# KiCad board netrazr_rev2.kicad_pcb (continued)
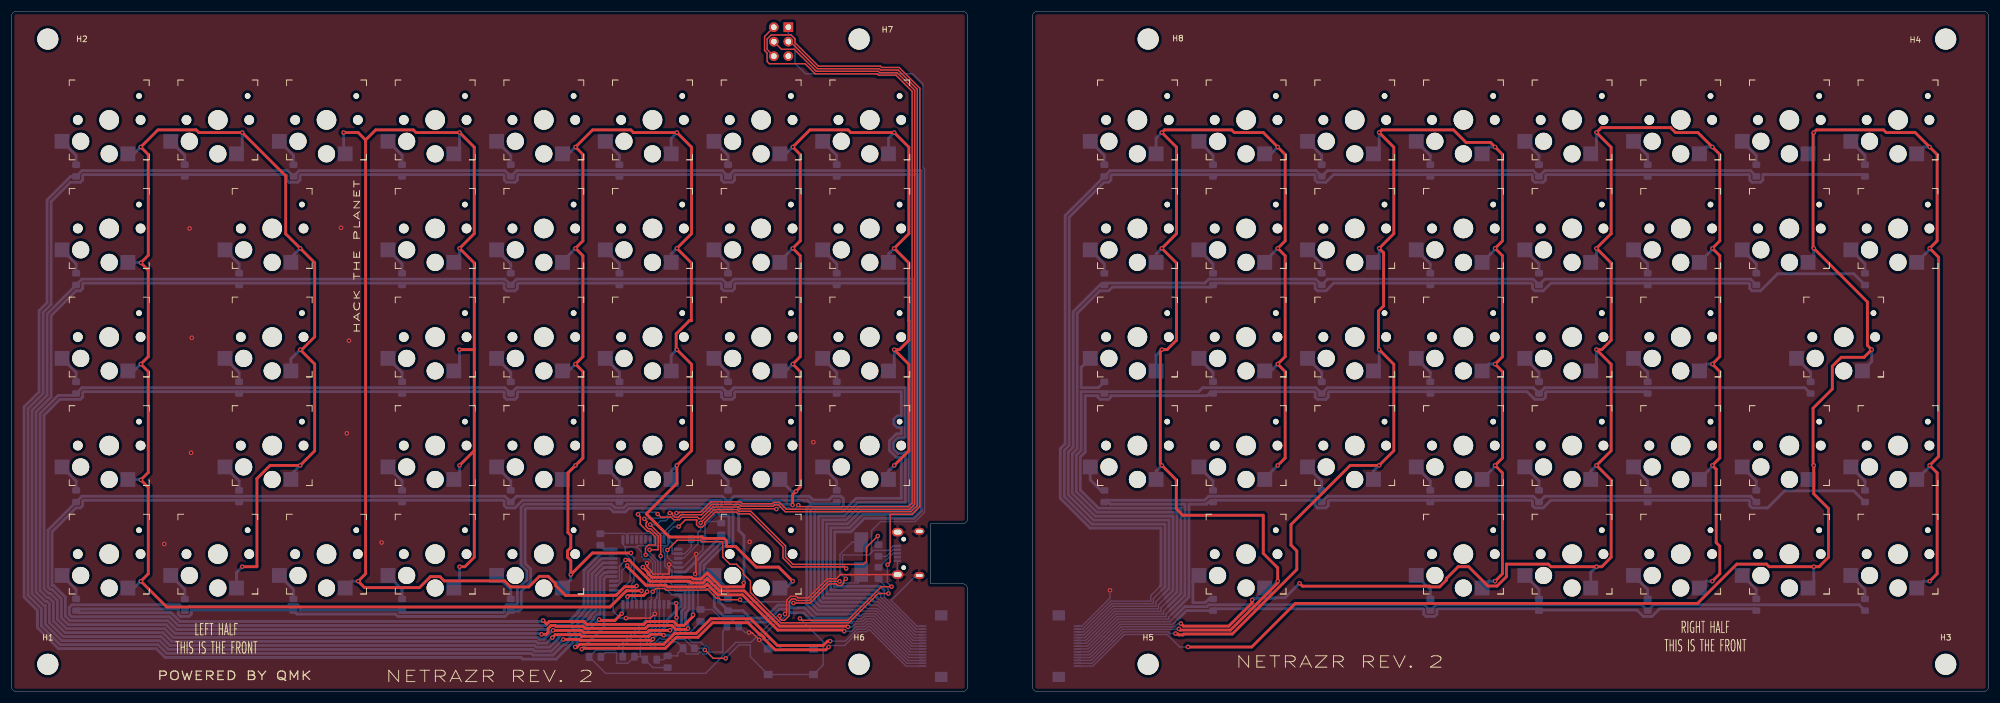
[diagram p0: board, top side]
## Routing (per net, layer and track width the routed paths; a pad name or vN(x,y) marks a point on that pad's centre or on a via; arc(x,y) is an arc through that point) (continued)
/Col_0: length 318.5
  Top w0.5: v1(40.47,21.92) 43.01,21.92 43.05,21.96 43.05,37.38 45.36,39.7 v1(50.63,39.7) 53.17,42.24 53.17,57.48 v1(50.63,60.02) 50.92,60.02 53.17,62.27 53.17,75.26 v1(50.63,77.8) 48.09,80.34 48.09,90.5 v1(40.47,98.12) 40.47,98.12 32.85,98.12 32.39,98.58 25.69,98.58 v1(22.69,95.58) 24,94.27 24,76.57 v1(22.69,75.26) 24,73.95 24,58.79 v1(22.69,57.48) 24,56.17 24,38.47 v1(22.69,37.16) 24,35.85 24,20.69 v1(22.69,19.38) 27.21,14.86 104.96,14.86 107.8,17.7 v1(110.45,17.7)
  Bottom w0.25: v1(110.45,17.7) 110.41,17.65 U1.18
  Bottom w0.5: v1(50.63,60.02) 49,58.39 K32.1 ; v1(22.69,57.48) 21.49,56.28 K31.1 ; v1(22.69,19.38) 21.49,18.18 K60.1 ; v1(40.47,21.92) 39.47,20.92 K61.1 ; K0.1 21.49,94.38 v1(22.69,95.58) ; v1(40.47,98.12) 40.47,95.38 K1.1 ; v1(22.69,75.26) 22.62,75.33 K16.1 ; v1(22.69,37.16) 22.62,37.23 K45.1 ; K46.1 49,38.06 v1(50.63,39.7) ; K17.1 49,76.17 v1(50.63,77.8)
/Col_1: length 269.2
  Top w0.5: 81.15,42.28 81.15,23.57 79.5,21.92 v1(78.57,21.92) ; 81.15,42.28 v1(78.57,39.7) ; 81.15,42.28 81.15,60.06 ; 62.1,96.81 63.86,98.58 70.49,98.58 70.95,98.12 78.57,98.12 v1(78.57,98.12) 81.15,95.54 81.15,80.38 v1(78.57,77.8) 81.15,75.22 81.15,60.06 ; 62.1,96.81 60.79,98.12 v1(58.25,98.12) ; 62.1,96.81 62.1,20.69 v1(60.79,19.38) 61.92,18.25 71.54,18.25 73.47,20.18 75.12,20.18 75.87,19.43 86.47,19.43 87.52,18.38 90.72,18.38 92.57,20.23 94.12,20.23 95.35,19.01 95.35,18.69 97.16,16.88 106,16.88 107.52,18.4 109.46,18.4 v1(109.61,18.55) ; v1(78.57,60.02) 81.11,60.02 81.15,60.06
  Bottom w0.25: U1.19 109.61,16.12 109.36,16.38 109.36,18.23 109.32,18.27 v1(109.61,18.55)
  Bottom w0.5: v1(78.57,21.92) 78.57,19.18 K63.1 ; v1(78.57,39.7) 78.57,38.23 K47.1 ; K33.1 78.57,57.28 v1(78.57,60.02) ; v1(60.79,19.38) 59.72,19.38 K62.1 ; v1(58.25,98.12) 58.25,94.65 K2.1 ; K3.1 78.57,95.38 v1(78.57,98.12) ; v1(78.57,77.8) 78.57,76.33 K18.1
/Col_2: length 259.5
  Top w0.5: v1(108.63,24.33) 101.87,24.33 v1(98.07,20.54) 98.07,22.99 97.49,23.57 97.49,24.69 98.07,25.27 98.07,27.41 97.57,27.92 97.57,38.38 v1(98.89,39.7) 100.2,41.01 100.2,56.17 v1(98.89,57.48) 100.2,58.79 100.2,76.49 v1(98.89,77.8) 100.2,79.11 100.2,94.27 v1(98.89,95.58) 101.89,98.58 108.59,98.58 109.05,98.12 116.67,98.12 v1(116.67,98.12) 119.25,95.54 119.25,80.38 v1(116.67,77.8) 119.21,75.26 119.21,65.1 118.85,65.1 116.54,62.79 116.54,60.15 v1(116.67,60.02) 119.25,57.44 119.25,42.28 v1(116.67,39.7) 116.67,36.54 111.31,31.18 115.35,27.14 121.07,27.14 121.32,26.89 124.96,26.89 125.39,26.46 125.39,25.48 126.96,25.48 130.59,21.85 134.51,21.85 v1(136.99,19.38)
  Bottom w0.25: U1.20 108.8,16.4 108.91,16.5 108.91,18.05 108.76,18.2 108.76,18.9 109.14,19.29 109.14,23.46 108.63,23.97 v1(108.63,24.33)
  Bottom w0.5: K35.1 115.67,59.02 v1(116.67,60.02) ; K19.1 96.62,75.53 v1(98.89,77.8) ; K4.1 97.69,94.38 v1(98.89,95.58) ; v1(116.67,98.12) 115.67,97.12 K5.1 ; v1(116.67,39.7) 115.67,38.7 K49.1 ; v1(116.67,77.8) 115.67,76.8 K20.1 ; v1(136.99,19.38) 135.79,18.18 K65.1 ; K64.1 98.07,19.63 v1(98.07,20.54) ; v1(98.89,39.7) 96.62,37.43 K48.1 ; v1(98.89,57.48) 97.69,56.28 K34.1
/Col_3: length 231.5
  Top w0.5: v1(107.99,16.65) 108.19,16.85 110.81,16.85 111.44,17.48 v1(111.44,17.53) ; v1(136.95,32.74) 136.95,34.55 v1(137.55,35.14) 138.3,35.89 138.3,56.17 v1(136.99,57.48) 138.3,58.79 138.3,76.49 v1(136.99,77.8) 138.3,79.11 138.3,94.27 v1(136.99,95.58) 139.99,98.58 146.69,98.58 147.15,98.12 154.77,98.12 v1(154.77,98.12) 157.35,95.54 157.35,80.38 v1(154.77,77.8) 157.31,75.26 157.31,65.1 157.35,65.06 157.35,61.67 155.7,60.02 v1(154.77,60.02) 157.35,57.44 157.35,42.28 v1(154.77,39.7) ; v1(128.39,19.09) 128.39,18.38 124.42,18.38 121.97,20.83 120.92,19.78 119.52,19.78 119.23,20.07 112.28,20.07 111.63,20.71 111.63,20.92 v1(110.71,21.85)
  Bottom w0.25: v1(110.71,21.85) 111.54,21.01 111.54,17.64 v1(111.44,17.53)
  Bottom w0.5: K22.1 153.77,76.8 v1(154.77,77.8) ; v1(136.99,95.58) 135.79,94.38 K6.1 ; v1(128.39,19.09) 128.45,19.14 128.45,27.36 127.51,28.3 127.51,32.35 128.05,32.89 136.81,32.89 v1(136.95,32.74) ; v1(136.99,57.48) 135.79,56.28 K36.1 ; v1(107.99,16.65) 108.01,16.64 U1.21 ; v1(136.99,77.8) 134.72,75.53 K21.1 ; K7.1 153.77,97.12 v1(154.77,98.12) ; K51.1 153.77,38.7 v1(154.77,39.7) ; K37.1 154.77,57.28 v1(154.77,60.02) ; K50.1 136.81,35.14 v1(137.55,35.14)
/Col_4: length 317.2
  Top w0.5: v1(204.66,11.02) 204.88,10.8 213.74,10.8 222.01,19.07 v1(222.01,19.38) 222.01,21.72 219.47,24.26 219.47,30.95 205.36,30.95 204.23,32.08 204.23,37.16 v1(201.69,39.7) 201.43,39.97 201.43,59.75 v1(201.69,60.02) 202.62,60.02 204.27,61.67 204.27,75.22 v1(201.69,77.8) 204.27,80.38 204.27,95.54 v1(201.69,98.12) 202.15,98.58 213.93,98.58 214.39,98.12 219.47,98.12 v1(222.01,95.58) 223.32,94.27 223.32,79.11 v1(222.01,77.8) 223.32,76.49 223.32,58.79 v1(222.01,57.48) 223.32,56.17 223.32,41.01 v1(222.01,39.7) ; v1(146,10.61) 145.81,10.8 134.36,10.8 128.18,16.98 123.84,16.98 121.97,18.85 121.5,18.38 115.01,18.38 114.72,18.67 111.24,18.67 107.97,21.94 v1(107.97,22.15)
  Bottom w0.25: FFC2.3 189.32,5.48 192.9,9.06 192.9,9.08 194.75,10.93 204.57,10.93 v1(204.66,11.02) ; v1(146,10.61) 147.31,10.61 148.11,11.41 149.6,11.41 150.07,11.88 150.72,11.88 157.14,5.46 159.93,5.46 ; U1.25 106.24,18.6 107.03,19.39 107.03,21.21 v1(107.97,22.15)
  Bottom w0.5: v1(222.01,19.38) 220.81,18.18 K66.1 ; K53.1 219.74,37.43 v1(222.01,39.7) ; v1(222.01,57.48) 220.81,56.28 K39.1 ; v1(201.69,60.02) 200.69,59.02 K38.1 ; K8.1 200.69,97.12 v1(201.69,98.12) ; K9.1 220.81,94.38 v1(222.01,95.58) ; v1(222.01,77.8) 219.74,75.53 K24.1 ; v1(201.69,77.8) 200.69,76.8 K23.1 ; K52.1 200.69,38.7 v1(201.69,39.7)
/Col_5: length 350.5
  Top w0.5: v1(260.11,19.38) 261.42,20.69 261.42,38.39 v1(260.11,39.7) 261.42,41.01 261.42,56.17 v1(260.11,57.48) 261.42,58.79 261.42,76.49 v1(260.11,77.8) 261.42,79.11 261.42,94.27 v1(260.11,95.58) 259.31,96.38 255.03,96.38 252.83,98.58 240.25,98.58 v1(239.79,98.12) 242.37,95.54 242.37,80.38 v1(239.79,77.8) 240.57,77.02 240.57,67.68 239.66,66.77 239.66,60.15 v1(239.79,60.02) 242.37,57.44 242.37,42.28 v1(239.79,39.7) 234.72,39.7 224.34,29.31 224.34,25.71 225.35,24.7 225.35,21.43 214.02,10.1 205.54,10.1 205.39,9.95 204.69,9.95 204.54,10.1 204.19,10.1 v1(204.09,10.2) ; v1(106.98,13.67) 105.81,12.5 103.19,12.5 v1(103.04,12.65) ; v1(98.84,7.84) 98.88,7.8 99.16,7.8 99.65,8.3 114.36,8.3 116.28,10.22 120.06,10.22 122.63,12.79 129.6,12.79 134.3,8.09 142.34,8.09 143.1,8.85 v1(143.54,8.85)
  Bottom w0.25: FFC1.14 156.98,4.98 150.53,11.43 150.26,11.43 149.79,10.96 148.3,10.96 146.19,8.85 v1(143.54,8.85) ; FFC2.2 189.45,4.98 193.35,8.88 193.35,8.89 194.94,10.47 202.81,10.47 203.09,10.2 v1(204.09,10.2)
  Bottom w0.5: v1(260.11,19.38) 259.04,19.38 K67.1 ; K40.1 239.79,57.28 v1(239.79,60.02) ; v1(260.11,57.48) 259.04,57.48 K41.1 ; v1(260.11,39.7) 260.11,39.5 K55.1 ; K54.1 238.79,38.7 v1(239.79,39.7) ; v1(260.11,77.8) 260.11,77.6 K26.1 ; v1(98.84,7.84) 99.16,8.16 99.16,8.77 v1(103.04,12.65) ; v1(239.79,77.8) 239.79,76.33 K25.1 ; U1.22 107.2,13.9 v1(106.98,13.67) ; v1(260.11,95.58) 259.04,95.58 K11.1 ; K10.1 239.79,95.38 v1(239.79,98.12)
/Col_6: length 391
  Top w0.5: v1(217.52,16.09) 217.52,15.58 213.45,11.5 205.47,11.5 v1(205.03,11.95) ; v1(107.67,23.1) 108.26,23.1 111.99,19.37 118.94,19.37 119.23,19.08 121.21,19.08 121.97,19.84 124.13,17.68 128.47,17.68 134.64,11.5 146.52,11.5 v1(146.67,11.35) ; v1(225.84,19.01) 226.34,18.51 248.61,18.51 248.74,18.38 250.39,18.38 251.57,19.55 251.57,19.83 253.65,21.92 255.48,21.92 258.87,18.53 260.46,18.53 262.12,20.18 262.12,22.38 269.44,22.38 269.91,21.92 277.89,21.92 v1(277.89,21.92) 278.82,21.92 280.47,23.57 280.47,37.12 v1(277.89,39.7) 280.47,42.28 280.47,57.44 v1(277.89,60.02) 278.82,60.02 280.47,61.67 280.47,75.22 v1(277.89,77.8) 280.47,80.38 280.47,95.54 v1(277.89,98.12) 278.75,98.98 290.88,98.98 291.75,98.12 295.67,98.12 v1(298.21,95.58) 299.52,94.27 299.52,79.11 v1(298.21,77.8) 299.52,76.49 299.52,58.79 v1(298.21,57.48) 299.52,56.17 299.52,41.01 v1(298.21,39.7) 298.88,39.03 298.88,26.15 299.52,25.52 299.52,20.69 v1(298.21,19.38)
  Bottom w0.25: v1(107.67,23.1) 106.58,22.02 106.58,19.58 106.4,19.4 U1.26 ; FFC1.12 157.25,5.98 150.9,12.33 149.88,12.33 149.41,11.86 147.93,11.86 147.42,11.35 v1(146.67,11.35) ; FFC2.4 189.18,5.98 192.45,9.25 192.45,9.26 194.56,11.38 203.99,11.38 204.57,11.95 v1(205.03,11.95)
  Bottom w0.5: K42.1 277.89,57.28 v1(277.89,60.02) ; K69.1 297.14,19.38 v1(298.21,19.38) ; v1(217.52,16.09) 217.84,16.4 221.53,16.4 221.6,16.47 223.3,16.47 v1(225.84,19.01) ; v1(277.89,77.8) 277.89,76.33 K27.1 ; v1(277.89,98.12) 277.89,95.38 K12.1 ; K56.1 276.89,38.7 v1(277.89,39.7) ; v1(298.21,39.7) 298.21,39.5 K57.1 ; v1(298.21,95.58) 297.14,95.58 K13.1 ; v1(298.21,57.48) 297.14,57.48 K43.1 ; K28.1 298.21,77.6 v1(298.21,77.8) ; v1(277.89,21.92) 276.89,20.92 K68.1
/Col_7: length 444.3
  Top w0.5: v1(100.01,7.45) 100.15,7.6 114.65,7.6 116.57,9.53 120.35,9.53 122.92,12.09 129.13,12.09 131.28,9.94 131.47,9.94 131.97,9.44 131.97,9.25 133.89,7.33 142.78,7.33 v1(143.29,7.84) ; v1(206.28,7.84) 217.45,7.84 225.1,15.48 295.6,15.48 302.51,22.38 307.69,22.38 308.16,21.92 315.99,21.92 v1(315.99,21.92) 316.92,21.92 318.57,23.57 318.57,32.14 315.99,34.71 v1(315.99,39.7) 315.86,39.83 315.86,49.73 319.24,53.11 319.24,57.11 320.81,58.67 324.8,58.67 v1(326.15,60.02) 325.39,60.78 325.39,68.4 v1(315.99,77.8) 315.86,77.93 315.86,97.99 v1(315.99,98.12) 316.45,98.58 328.23,98.58 328.69,98.12 333.77,98.12 v1(336.31,95.58) 337.62,94.27 337.62,79.11 v1(336.31,77.8) 337.88,76.23 337.88,41.27 v1(336.31,39.7) 337.62,38.39 337.62,20.69 v1(336.31,19.38)
  Bottom w0.25: v1(143.29,7.84) 143.54,8.09 146.07,8.09 148.49,10.51 149.97,10.51 150.39,10.93 156.85,4.48 FFC1.15 ; v1(206.28,7.84) 204.82,7.84 202.63,10.03 195.12,10.03 195.12,10.01 189.59,4.48 FFC2.1
  Bottom w0.5: v1(315.99,98.12) 315.99,95.38 K14.1 ; K59.1 336.31,39.5 v1(336.31,39.7) ; K58.1 315.99,38.23 v1(315.99,39.7) ; K30.1 336.31,77.6 v1(336.31,77.8) ; v1(315.99,77.8) 315.99,76.33 K29.1 ; K15.1 335.24,95.58 v1(336.31,95.58) ; K70.1 315.99,19.18 v1(315.99,21.92) ; U1.27 104.27,20.2 103.89,19.81 103.89,11.33 v1(100.01,7.45) ; K71.1 335.24,19.38 v1(336.31,19.38) ; v1(326.15,60.02) 326.15,57.92 K44.1
/Reset: length 201.1
  Top w0.25: v1(138.24,12.84) 138.55,12.53 146.63,12.53 152.52,18.41 v1(154.31,18.41) ; v1(121.57,7.32) 123.04,5.84 v1(125.22,5.84) ; v1(153.61,22.28) 154.05,22.72 154.05,31.11 157.89,31.11 159.27,32.49 159.27,105.91 155.64,109.54 152.57,109.54 152.34,109.77 141.48,109.77 137.38,113.87 137.38,114.56 136.7,115.25 133.18,115.25 132.5,114.56 132.5,112.7 J2.6
  Bottom w0.25: R1.1 119.56,7.62 118.05,9.13 116.91,9.13 116.87,9.18 114.05,9.18 113.75,9.48 112.75,8.47 112.15,8.47 111.71,8.91 111.71,9.49 112.15,9.93 112.36,9.93 114.41,11.97 U1.13 ; v1(121.57,7.32) 121.27,7.62 119.77,7.62 ; v1(125.22,5.84) 127.57,8.19 129.56,8.19 129.56,6.12 SW1.2 SW1.2 140.64,3 142.31,4.67 142.31,8.76 v1(138.24,12.84) ; v1(153.61,22.28) 153.56,22.23 153.56,19.16 v1(154.31,18.41)
/Row_0: length 445.2
  Top w0.5: v1(119.51,13.46) 119.51,13.21 117.92,11.62 116.77,11.62 116.1,12.3 111.38,12.3 110.88,11.8 100.87,11.8 100.37,12.3 94.31,12.3 93.86,11.85 v1(93.22,12.48)
  Bottom w0.25: 204.45,12.65 203.63,11.82 194.38,11.82 192,9.45 192,9.43 189.05,6.48 FFC2.5 ; FFC1.11 157.39,6.48 151.09,12.78 149.7,12.78 149.23,12.31 147.56,12.31 147.32,12.06
  Bottom w0.5: v1(93.22,12.48) 93.04,12.3 29.56,12.3 28.01,13.85 11.71,13.85 D60.1 11.63,14.5 29.25,14.5 29.25,13.6 29.66,13.19 31.13,13.19 31.55,13.6 31.55,14.3 49.36,14.3 D62.1 50.06,13.6 67.35,13.6 67.76,13.19 86.52,13.19 D64.1 87.63,14.13 88.98,14.13 89.39,14.54 89.39,17.68 89.46,17.68 91.05,19.26 91.05,21.5 90.06,22.49 90.06,32.03 90.21,32.19 104.92,32.19 105.57,31.54 107.62,31.54 108.27,32.19 123.1,32.19 123.1,32.07 124.33,30.84 125.8,30.84 125.8,26.18 124.48,26.18 120.72,22.42 120.72,18.34 121.13,17.93 123.23,17.93 123.23,14.87 124.91,13.19 128.3,13.19 128.31,13.17 128.31,13.11 129.22,12.2 132.39,12.2 134.67,14.48 135.98,14.48 136.63,13.83 138.93,13.83 140.56,12.2 146.32,12.2 146.32,12.2 147.18,12.2 147.32,12.06 ; D70.1 305.59,14.54 288.95,14.54 287.6,13.19 286.13,13.19 285.02,14.3 267.9,14.3 D68.1 267.49,14.54 250.08,14.54 249.91,14.38 249.91,13.6 249.5,13.19 248.03,13.19 247.62,13.6 247.62,14.38 247.45,14.54 210.99,14.54 D66.1 206.02,14.22 204.45,12.65 ; U1.8 118.41,19.4 119.51,18.3 v1(119.51,13.46)
/Row_1: length 662.7
  Top w0.25: v1(111.98,29.31) 113.83,27.46 v1(113.83,23.79) ; J2.4 135,112.74 137.24,112.74 141.11,108.87 151.97,108.87 152.2,108.64 155.27,108.64 158.37,105.54 158.37,32.92 157.46,32.01 135.88,32.01 134.67,33.22 133.62,33.22 133.4,32.99 128.13,32.99 127.82,33.3 122.62,33.3 120.81,31.49 117.14,31.49 116.99,31.34 v1(116.61,31.34)
  Top w0.5: v1(118.62,11.07) 118.47,10.93 116.48,10.93 115.81,11.6 111.67,11.6 111.17,11.1 100.58,11.1 100.23,11.45 95.46,11.45 95.31,11.6 94.6,11.6 94.11,11.1 94.11,10.42 93.73,10.05 v1(92.96,10.05)
  Bottom w0.25: v1(111.98,29.31) 113.13,29.31 113.81,29.99 114.72,29.99 115.35,30.62 115.88,30.62 v1(116.61,31.34) ; FFC1.8 157.8,7.98 151.65,14.13 149.06,14.13 148.89,14.3 ; v1(113.83,23.79) 113.79,23.75 113.79,20.83 116.02,18.6 U1.9 ; 203.14,14.3 202.45,13.62 202.45,13.18 193.82,13.18 190.65,10.01 190.65,9.99 188.64,7.98 FFC2.8
  Bottom w0.5: U1.9 118.22,18.6 118.8,18.01 118.8,14.44 118.17,13.81 118.17,12.25 118.57,11.86 118.57,11.13 v1(118.62,11.07) ; v1(92.96,10.05) 92.81,10.2 28.69,10.2 27.14,11.75 9.98,11.75 8.76,12.97 8.76,16.29 7.11,17.93 6.83,17.93 6.42,18.34 6.42,28.34 D45.1 12.37,34.29 86.52,34.29 D48.1 88.57,34.29 124.62,34.29 D50.1 126.67,34.29 139.88,34.29 140.53,33.64 143.31,33.64 143.96,34.29 145.43,34.29 145.85,33.88 145.85,32.65 145.43,32.24 140.55,32.24 140.13,31.83 140.13,15.6 141.43,14.3 148.89,14.3 ; D58.1 304.89,34.29 268.84,34.29 D56.1 266.79,34.29 230.74,34.29 D54.1 228.69,34.29 209.93,34.29 209.23,33.59 191.94,33.59 D52.1 192.32,33.27 192.69,32.89 205.74,32.89 205.74,16.9 203.14,14.3
/Row_2: length 760.4
  Top w0.25: J2.3 136.55,114.07 141.29,109.32 152.15,109.32 152.39,109.09 155.45,109.09 158.82,105.72 158.82,32.68 157.7,31.56 135.69,31.56 134.48,32.77 133.81,32.77 133.58,32.54 127.95,32.54 127.64,32.85 122.8,32.85 120.99,31.04 117.33,31.04 116.91,30.62 116.3,30.62 115.88,31.04 115.88,31.34 v1(115.44,31.34) ; v1(111.89,24.89) 113.38,24.89 113.38,27.28 112.07,28.58 111.68,28.58 111.26,29.01 111.26,29.61 111.47,29.82 v1(110.97,30.32)
  Top w0.5: v1(114.36,9.9) 114.21,10.05 112.1,10.05 111.75,9.7 100,9.7 99.7,10 95.36,10 v1(94.83,9.47)
  Bottom w0.25: U1.10 115.8,17.8 113.34,20.26 113.34,22.94 111.89,24.4 v1(111.89,24.89) ; FFC1.6 158.07,8.98 151.87,15.18 150.56,15.18 150.5,15.24 ; 202.61,15.76 201.55,14.7 201.55,14.07 193.44,14.07 188.35,8.98 FFC2.10 ; v1(110.97,30.32) 111.94,30.32 112.05,30.44 114.54,30.44 v1(115.44,31.34)
  Bottom w0.5: U1.10 118.03,17.8 118.11,17.72 118.11,14.73 117.48,14.1 117.48,11.68 116.3,10.51 116.3,10.4 115.81,9.9 v1(114.36,9.9) ; 202.61,15.76 204.34,17.48 204.34,31.49 190.29,31.49 186.69,35.09 186.69,41.47 187.54,42.32 187.54,52.64 191.29,52.64 D38.1 191.94,52.64 208.14,52.64 208.85,53.34 228.69,53.34 D40.1 230.74,53.34 266.79,53.34 D42.1 268.84,53.34 314.41,53.34 D44.1 ; v1(94.83,9.47) 93.86,8.5 92.31,8.5 92.01,8.8 28.11,8.8 26.56,10.35 9.4,10.35 7.36,12.39 7.36,15.71 6.53,16.53 6.25,16.53 5.02,17.76 5.02,48.8 8.21,51.99 11.02,51.99 D31.1 12.37,53.34 86.52,53.34 D34.1 88.57,53.34 124.62,53.34 D36.1 126.67,53.34 156.71,53.34 156.71,44.69 156.55,44.53 155.44,44.53 154.64,43.74 154.64,42.62 155.44,41.83 156.55,41.83 156.71,41.99 156.71,33.22 148.39,33.22 146.01,30.84 141.54,30.84 141.54,16.18 142.01,15.7 150.04,15.7 150.5,15.24
/Row_3: length 807.1
  Top w0.25: J2.2 132.05,114.98 132.05,112.52 132.5,112.07 132.5,110.58 132.87,110.2 139.14,110.2 140.92,108.42 151.78,108.42 152.01,108.19 155.08,108.19 157.92,105.35 157.92,33.1 157.28,32.46 138.23,32.46 v1(137.95,32.73) ; v1(113.3,31.17) 113.85,30.62 115.67,30.62 116.12,30.17 117.09,30.17 117.52,30.59 120.3,30.59 120.54,30.34 120.93,30.34 122.99,32.4 127.45,32.4 127.76,32.09 134.06,32.09 v1(134.11,32.04) ; v1(111.2,24) 111.16,24.04 111.16,25.19 111.7,25.73 112.93,25.73 112.93,27.09 111.89,28.13 111.5,28.13 110.24,29.39 110.24,30.62 110.29,30.68 v1(109.86,31.12)
  Top w0.5: v1(112.45,9.2) 112.25,9 99.71,9 99.56,9.15 v1(96.76,9.15)
  Bottom w0.25: FFC2.12 188.08,9.98 193.07,14.97 200.65,14.97 200.65,15.78 201.98,17.1 ; v1(113.3,31.17) 112.97,31.5 110.24,31.5 v1(109.86,31.12) ; v1(134.11,32.04) 134.38,32.31 136.36,32.31 136.65,32.02 137.26,32.02 137.68,32.44 137.68,32.46 v1(137.95,32.73) ; 159.62,9.96 158.37,9.96 151.92,16.4 151.76,16.4 ; v1(111.2,24) 111.65,24 112.89,22.76 112.89,19.89 115.78,17 U1.11
  Bottom w0.5: D29.1 304.89,72.39 268.84,72.39 D27.1 266.79,72.39 230.74,72.39 D25.1 228.69,72.39 209.93,72.39 209.23,71.69 191.94,71.69 D23.1 190.84,71.36 186.14,66.67 186.14,42.9 185.29,42.05 185.29,34.52 189.71,30.09 202.94,30.09 202.94,18.06 201.98,17.1 ; v1(96.76,9.15) 96.75,9.16 96.75,9.2 94.65,7.1 91.73,7.1 91.43,7.4 27.53,7.4 25.98,8.95 8.82,8.95 5.96,11.81 5.96,15.13 5.67,15.13 3.62,17.18 3.62,49.38 6.26,52.02 6.26,66.28 D16.1 12.37,72.39 86.52,72.39 D19.1 88.57,72.39 124.62,72.39 D21.1 126.67,72.39 158.12,72.39 158.12,32.3 157.64,31.82 148.97,31.82 146.59,29.44 142.94,29.44 142.94,17.1 151.18,17.1 151.76,16.51 151.76,16.4 ; v1(112.45,9.2) 114.98,11.73 114.98,12.62 117.41,15.04 117.41,16.5 U1.11
/Row_4: length 679.5
  Bottom w0.25: 159.8,11 158.59,11 153.03,16.56 153.03,17.78 153.04,17.78 ; FFC2.14 187.8,10.98 192.7,15.88 199.75,15.88 199.75,16.86 201.4,18.5
  Bottom w0.5: U1.28 104.57,21 104.47,20.9 103.98,20.9 103.19,20.1 103.19,13.5 102.68,13.5 102.19,13 102.19,12.79 98.45,9.06 98.45,8.66 95.5,5.7 89.65,5.7 89.36,6 26.95,6 25.4,7.55 8.24,7.55 4.56,11.23 4.56,14.27 2.22,16.6 2.22,49.96 4.86,52.6 4.86,66.85 6.26,68.25 6.26,86.29 10.38,90.42 11.35,90.42 12.37,91.44 48.42,91.44 49.45,90.42 50.47,91.44 86.52,91.44 87.55,90.42 88.57,91.44 124.62,91.44 125.64,90.42 126.67,91.44 159.51,91.44 159.51,31.71 158.22,30.42 149.55,30.42 147.17,28.04 144.33,28.04 144.33,18.5 152.31,18.5 153.04,17.78 ; 305.91,90.42 304.89,91.44 268.84,91.44 267.81,90.42 266.79,91.44 230.74,91.44 229.71,90.42 228.69,91.44 192.64,91.44 184.74,83.54 184.74,43.48 183.89,42.63 183.89,33.94 189.13,28.69 201.54,28.69 201.54,18.64 201.4,18.5
/Row_5: length 706.1
  Bottom w0.25: 152.4,17.15 152.4,16.56 158.48,10.48 FFC1.3 ; FFC2.13 187.94,10.48 192.88,15.43 200.2,15.43 200.2,16.32 201.69,17.8
  Bottom w0.5: 201.69,17.8 202.24,18.35 202.24,29.39 189.42,29.39 184.59,34.23 184.59,42.34 185.44,43.19 185.44,83.25 191.58,89.39 192.35,89.39 192.76,89.8 192.76,90.58 192.93,90.74 210.34,90.74 210.67,90.42 ; U1.29 103.89,21.8 102.49,20.39 102.49,14.2 102.39,14.2 101.49,13.29 101.49,13.08 97.76,9.35 97.76,8.95 97.11,8.3 96.84,8.3 94.94,6.4 91.44,6.4 91.14,6.7 27.24,6.7 25.69,8.25 8.53,8.25 5.26,11.52 5.26,14.56 2.92,16.89 2.92,49.67 5.55,52.31 5.55,66.56 6.96,67.96 6.96,86 10.35,89.39 12.08,89.39 12.5,89.8 12.5,90.58 12.66,90.74 30.07,90.74 30.39,90.42 30.72,90.74 48.13,90.74 48.3,90.58 48.3,89.8 48.71,89.39 50.18,89.39 50.59,89.8 50.59,90.58 50.76,90.74 68.17,90.74 68.5,90.42 68.82,90.74 86.23,90.74 86.39,90.58 86.39,89.8 86.81,89.39 88.28,89.39 88.7,89.8 88.7,90.58 88.86,90.74 106.27,90.74 106.6,90.42 106.92,90.74 124.33,90.74 124.49,90.58 124.49,89.8 124.91,89.39 126.38,89.39 126.8,89.8 126.8,90.58 126.96,90.74 144.37,90.74 144.69,90.42 145.02,90.74 158.81,90.74 158.81,32.01 157.93,31.12 149.26,31.12 146.88,28.74 143.63,28.74 143.63,17.8 151.75,17.8 152.4,17.15 ; 210.67,90.42 210.58,90.5 ; 210.67,90.42 210.99,90.74 228.4,90.74 228.56,90.58 228.56,89.8 228.98,89.39 230.45,89.39 231.8,90.74 248.44,90.74 248.76,90.42 249.09,90.74 266.5,90.74 266.66,90.58 266.66,89.8 267.08,89.39 268.55,89.39 268.96,89.8 268.96,90.58 269.13,90.74 286.54,90.74 286.87,90.42 287.19,90.74 304.6,90.74 304.76,90.58 304.76,89.8 305.18,89.39 306.65,89.39 307.06,89.8 307.06,90.75 324.63,90.75 324.96,90.42
/Row_6: length 646.4
  Bottom w0.25: 151.13,15.88 151.23,15.78 151.91,15.78 158.23,9.46 159.73,9.46 ; FFC2.11 188.21,9.48 193.26,14.53 201.1,14.53 201.1,15.24 202.27,16.4
  Bottom w0.5: D30.1 323,73.33 309.64,73.33 306.65,70.34 305.18,70.34 304.76,70.75 304.76,71.53 304.6,71.69 287.19,71.69 D28.1 286.54,71.69 269.9,71.69 268.55,70.34 267.08,70.34 266.66,70.75 266.66,71.53 266.5,71.69 249.09,71.69 D26.1 248.44,71.69 231.8,71.69 230.45,70.34 228.98,70.34 228.56,70.75 228.56,71.53 228.4,71.69 210.99,71.69 D24.1 210.29,70.99 193,70.99 192.35,70.34 190.88,70.34 190.84,70.38 186.84,66.38 186.84,42.61 185.99,41.76 185.99,34.81 190,30.79 203.64,30.79 203.64,17.77 202.27,16.4 ; U1.30 103.7,22.6 101.79,20.68 101.79,14.58 100.79,13.58 100.79,13.37 97.42,10 96.4,10 95.91,9.5 95.91,9.35 94.36,7.8 92.02,7.8 91.72,8.1 27.82,8.1 26.27,9.65 9.11,9.65 6.66,12.1 6.66,15.42 6.24,15.83 5.96,15.83 4.32,17.47 4.32,49.09 6.96,51.73 6.96,65.99 11.31,70.34 12.08,70.34 12.5,70.75 12.5,71.53 12.66,71.69 39.59,71.69 D17.1 40.25,71.69 68.17,71.69 D18.1 68.82,71.69 86.23,71.69 86.39,71.53 86.39,70.75 86.81,70.34 88.28,70.34 88.7,70.75 88.7,71.53 88.86,71.69 106.27,71.69 D20.1 106.92,71.69 124.33,71.69 124.49,71.53 124.49,70.75 124.91,70.34 126.38,70.34 126.8,70.75 126.8,71.53 126.96,71.69 144.37,71.69 D22.1 145.02,71.69 157.42,71.69 157.42,32.59 157.35,32.52 148.68,32.52 146.3,30.14 142.24,30.14 142.24,16.47 142.3,16.4 150.61,16.4 151.13,15.88
/Row_7: length 564.7
  Top w0.5: v1(116.56,15.49) 116.56,13.03 v1(116.61,12.98) ; v1(94.95,10.75) 99.94,10.75 100.29,10.4 111.46,10.4 111.81,10.75 v1(115.45,10.75)
  Bottom w0.25: 159.73,8.46 157.96,8.46 151.84,14.58 150,14.58 149.58,15 ; 202.85,15 202,14.16 202,13.62 193.63,13.62 190.2,10.19 190.2,10.18 188.5,8.48 FFC2.9
  Bottom w0.5: 202.85,15 205.04,17.19 205.04,32.19 190.58,32.19 187.39,35.38 187.39,41.18 188.24,42.03 188.24,51.94 190.46,51.94 190.46,51.7 190.88,51.29 192.35,51.29 192.76,51.7 192.76,51.94 209.64,51.94 210.34,52.64 ; v1(116.56,15.49) 115.4,15.49 U1.12 ; 149.58,15 141.72,15 140.83,15.89 140.83,31.54 145.72,31.54 148.1,33.92 156.01,33.92 156.01,41.13 155.15,41.13 153.94,42.33 153.94,44.03 155.15,45.23 156.01,45.23 156.01,46.38 155.3,46.38 154.72,46.97 154.72,47.79 155.3,48.38 156.01,48.38 156.01,52.64 145.02,52.64 D37.1 144.37,52.64 126.96,52.64 126.8,52.48 126.8,51.7 126.38,51.29 124.91,51.29 124.49,51.7 124.49,52.48 124.33,52.64 106.92,52.64 D35.1 106.27,52.64 88.86,52.64 88.7,52.48 88.7,51.7 88.28,51.29 86.81,51.29 86.39,51.7 86.39,52.48 86.23,52.64 68.82,52.64 D33.1 68.17,52.64 40.25,52.64 D32.1 39.59,52.64 12.66,52.64 12.5,52.48 12.5,51.7 12.08,51.29 8.5,51.29 5.72,48.52 5.72,18.05 6.54,17.23 6.82,17.23 8.05,16 8.06,12.68 9.69,11.05 26.85,11.05 28.4,9.5 92.3,9.5 92.6,9.2 93.36,9.2 94.91,10.75 v1(94.95,10.75) ; D39.1 210.99,52.64 228.4,52.64 228.56,52.48 228.56,51.7 228.98,51.29 230.45,51.29 230.87,51.7 230.87,52.48 231.03,52.64 248.44,52.64 D41.1 249.09,52.64 265.73,52.64 267.08,51.29 268.55,51.29 268.96,51.7 268.96,52.48 269.13,52.64 286.54,52.64 D43.1 ; v1(115.45,10.75) 115.56,10.75 116.61,11.8 v1(116.61,12.98)
/Row_8: length 475.2
  Bottom w0.25: FFC2.7 188.77,7.48 191.1,9.81 191.1,9.82 194,12.72 202.9,12.72 202.9,13.08 203.43,13.6 ; 148.59,13.34 148.98,13.34 149.32,13.68 151.46,13.68 157.66,7.48 FFC1.9
  Bottom w0.5: D51.1 144.37,32.94 140.26,32.94 140.25,32.93 ; U1.31 103.51,23.4 101.09,20.97 101.09,14.87 100.04,13.82 100.04,13.61 98.03,11.6 94.6,11.6 94.11,11.1 94.11,10.94 94.07,10.9 28.98,10.9 27.43,12.45 10.27,12.45 9.46,13.26 9.46,16.58 7.4,18.63 7.12,18.63 7.12,28.05 11.31,32.24 12.08,32.24 12.5,32.65 12.5,33.43 12.66,33.59 39.59,33.59 D46.1 40.25,33.59 68.17,33.59 D47.1 68.82,33.59 86.23,33.59 86.39,33.43 86.39,32.65 86.81,32.24 88.28,32.24 89.63,33.59 106.27,33.59 D49.1 106.92,33.59 124.33,33.59 124.49,33.43 124.49,32.65 124.91,32.24 126.38,32.24 127.73,33.59 139.6,33.59 ; 139.6,33.59 140.25,32.93 ; 139.6,33.59 140.25,32.93 ; 140.25,32.93 139.44,32.12 139.44,15.31 141.14,13.6 148.32,13.6 148.59,13.34 ; D59.1 323,35.23 310.89,35.23 307.9,32.24 305.18,32.24 304.76,32.65 304.76,33.43 304.6,33.59 287.19,33.59 D57.1 286.54,33.59 269.9,33.59 268.55,32.24 267.08,32.24 266.66,32.65 266.66,33.43 266.5,33.59 249.09,33.59 D55.1 248.44,33.59 231.03,33.59 230.87,33.43 230.87,32.65 230.45,32.24 228.98,32.24 228.56,32.65 228.56,33.43 228.4,33.59 210.99,33.59 D53.1 209.89,33.27 209.51,32.89 206.44,32.89 206.44,16.62 203.43,13.6
/Row_9: length 452.4
  Bottom w0.25: 147.75,12.9 147.88,13.03 148.09,13.03 148.35,12.76 149.04,12.76 149.51,13.23 151.28,13.23 157.55,6.96 159.62,6.96 ; 203.96,13.14 203.09,12.28 194.19,12.28 191.55,9.64 191.55,9.62 188.91,6.98 FFC2.6
  Bottom w0.5: D71.1 323.94,15.24 287.89,15.24 D69.1 285.84,15.24 249.79,15.24 D67.1 247.74,15.24 209.93,15.24 209.6,14.91 205.73,14.91 203.96,13.14 ; 147.75,12.9 140.85,12.9 139.06,14.7 136.75,14.7 136.27,15.18 134.38,15.18 132.1,12.9 129.51,12.9 129.01,13.4 129.01,13.46 128.26,14.22 D65.1 123.93,15.93 123.93,18.63 121.42,18.63 121.42,22.13 124.77,25.48 126.51,25.48 126.51,31.54 124.62,31.54 123.8,32.36 123.8,32.89 107.98,32.89 107.33,32.24 105.86,32.24 105.21,32.89 89.92,32.89 89.36,32.32 89.36,22.2 90.35,21.21 90.35,19.55 89.17,18.38 88.7,18.38 88.7,14.83 88.28,15.24 86.81,15.24 86.39,14.83 86.39,14.05 86.23,13.89 68.82,13.89 D63.1 68.41,14.3 50.59,14.3 50.59,14.83 50.18,15.24 48.71,15.24 48.47,15 31.18,15 D61.1 30.39,14.34 29.49,15.24 10.61,15.24 10.16,14.79 10.16,13.55 10.55,13.15 27.72,13.15 29.27,11.6 93.61,11.6 94.31,12.3 97.74,12.3 99.34,13.9 99.34,14.11 100.39,15.16 100.39,21.26 103.32,24.2 U1.32
Net-(C6-Pad1): length 75.2
  Top w0.25: v1(134.69,13.29) 134.69,12.91 135.07,12.53 135.56,12.53 136.36,13.33 136.36,15.82 136.8,16.27 137.4,16.27 137.68,16 139.86,16 143.21,19.35 v1(145.18,19.35)
  Bottom w0.25: v1(145.18,19.35) 145.46,19.07 148.39,19.07 148.98,19.66 Y1.1 ; U1.17 111.2,12.59 105.92,7.3 102.49,7.3 101.29,6.1 104.19,3.2 121.69,3.2 124.5,6.01 124.5,6.14 126.99,8.64 129.64,8.64 134.3,13.29 v1(134.69,13.29)
Net-(C7-Pad1): length 61.2
  Top w0.25: v1(137.1,15.55) 140.04,15.55 143.39,18.9 144.61,18.9 144.88,18.62 145.48,18.62 145.91,19.05 145.91,19.42 v1(146.29,19.8) ; v1(127.73,16.13) 124.33,16.13 124.06,16.4 123.6,16.4 121.97,18.03 121.74,17.8 114.77,17.8 114.48,18.09 113,18.09 v1(112.44,17.53)
  Bottom w0.25: v1(112.44,17.53) 112.2,17.29 112.2,15.5 U1.16 112.01,11.48 111.8,11.28 110.53,11.28 107.17,7.92 107.17,6.14 ; v1(146.29,19.8) 145.26,20.82 145.26,24.1 147.38,26.21 Y1.2 ; v1(127.73,16.13) 128.11,15.75 136.51,15.75 136.72,15.55 v1(137.1,15.55)
Net-(C8-Pad1): length 10.4
  Bottom w0.5: U1.6 118.16,21 124.45,27.3 124.45,27.53
Net-(D0-Pad2): length 5.1
  Bottom w0.5: K0.2 11.35,94.11 D0.2
Net-(D1-Pad2): length 5.1
  Bottom w0.5: D1.2 30.39,94.11 K1.2
Net-(D2-Pad2): length 5.1
  Bottom w0.5: K2.2 49.45,94.11 D2.2
Net-(D3-Pad2): length 5.1
  Bottom w0.5: D3.2 68.5,94.11 K3.2
Net-(D4-Pad2): length 5.1
  Bottom w0.5: K4.2 87.55,94.11 D4.2
Net-(D5-Pad2): length 5.1
  Bottom w0.5: K5.2 106.6,94.11 D5.2
Net-(D6-Pad2): length 5.1
  Bottom w0.5: D6.2 125.64,94.11 K6.2
Net-(D7-Pad2): length 5.1
  Bottom w0.5: D7.2 144.69,94.11 K7.2
Net-(D8-Pad2): length 5.1
  Bottom w0.5: D8.2 191.62,94.11 K8.2
Net-(D9-Pad2): length 5.1
  Bottom w0.5: K9.2 210.67,94.11 D9.2
Net-(D10-Pad2): length 5.1
  Bottom w0.5: D10.2 229.71,94.11 K10.2
Net-(D11-Pad2): length 5.1
  Bottom w0.5: D11.2 248.76,94.11 K11.2
Net-(D12-Pad2): length 5.1
  Bottom w0.5: K12.2 267.81,94.11 D12.2
Net-(D13-Pad2): length 5.1
  Bottom w0.5: K13.2 286.87,94.11 D13.2
Net-(D14-Pad2): length 5.1
  Bottom w0.5: K14.2 305.91,94.11 D14.2
Net-(D15-Pad2): length 5.1
  Bottom w0.5: K15.2 324.96,94.11 D15.2
Net-(D16-Pad2): length 5.1
  Bottom w0.5: K16.2 11.35,75.06 D16.2
